# Altium PCB SoBQ.PcbDoc (part 1 of 4) (continued)
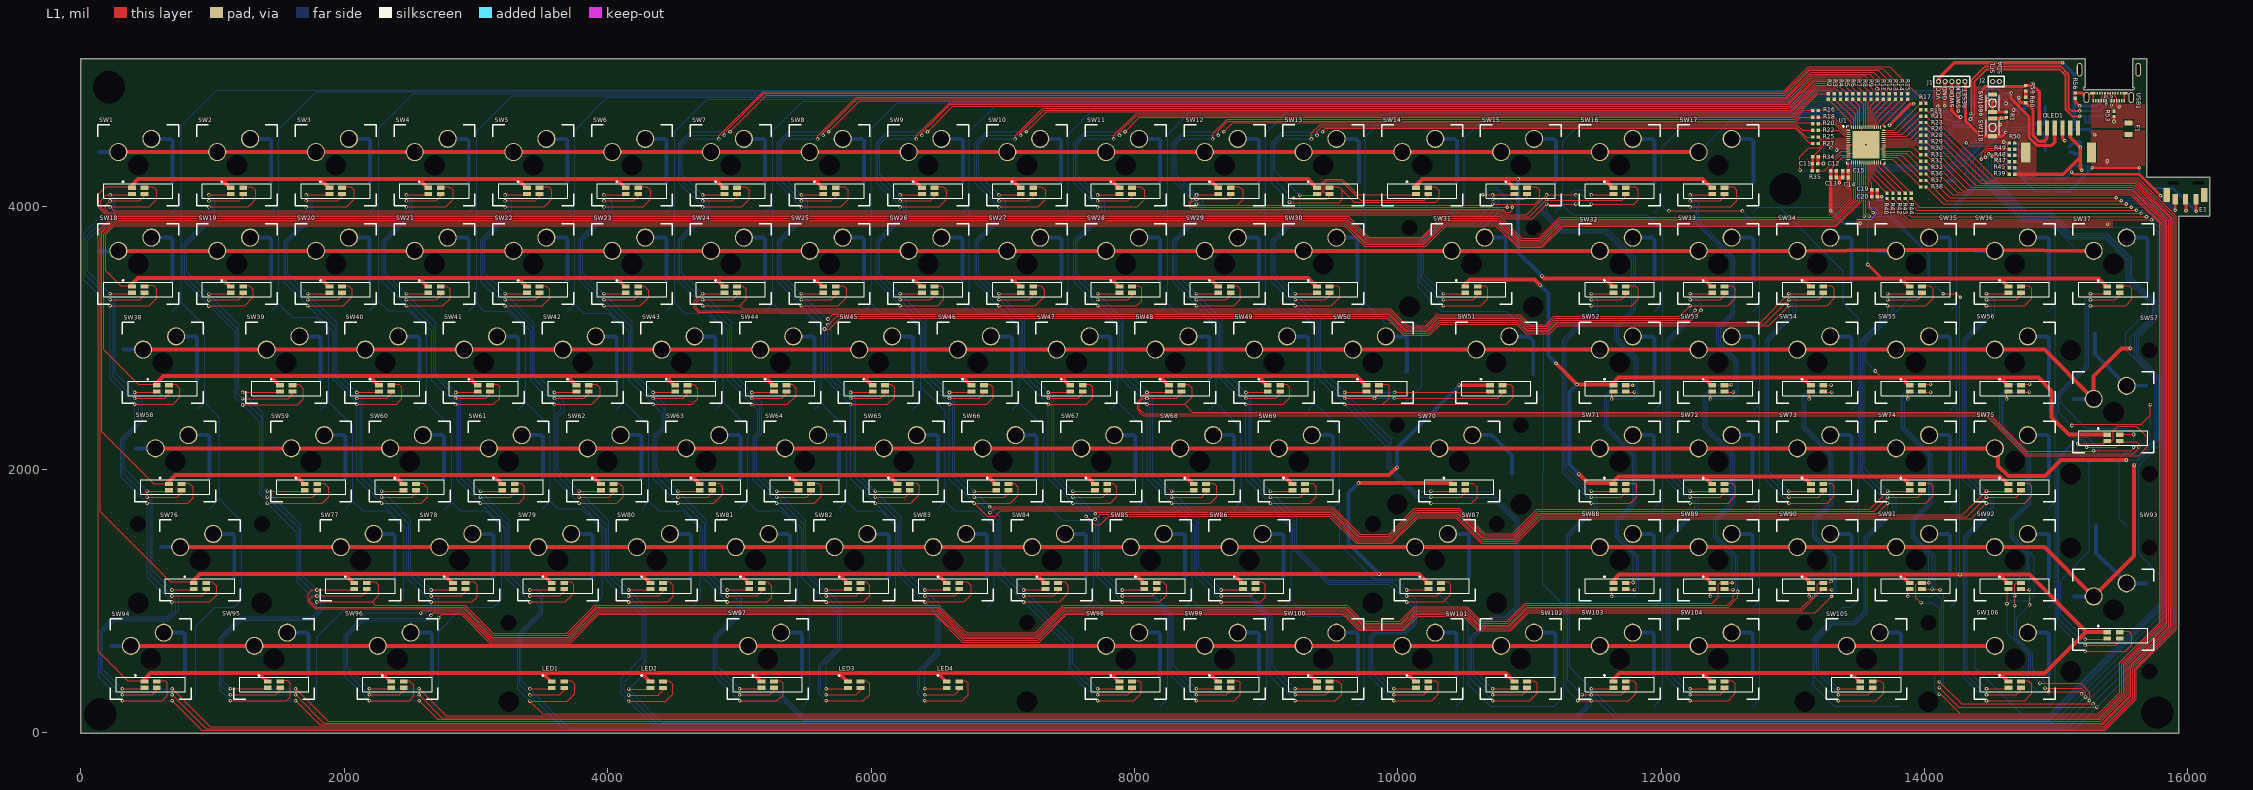
[diagram p0: L1 view]
## Components (designator, comment, footprint, x,y, rotation, side; value= is the part's Value field where it differs from the comment) (continued)
SW17 "Boot" SWITCH_U1_W_LED 12435,4312 r0 top
SW18 "~" SWITCH_U1_W_LED 435,3562 r0 top
SW19 "1" SWITCH_U1_W_LED 1185,3562 r0 top
SW20 "2" SWITCH_U1_W_LED 1935,3562 r0 top
SW21 "3" SWITCH_U1_W_LED 2685,3562 r0 top
SW22 "4" SWITCH_U1_W_LED 3435,3562 r0 top
SW23 "5" SWITCH_U1_W_LED 4185,3562 r0 top
SW24 "6" SWITCH_U1_W_LED 4935,3562 r0 top
SW25 "7" SWITCH_U1_W_LED 5685,3562 r0 top
SW26 "8" SWITCH_U1_W_LED 6435,3562 r0 top
SW27 "9" SWITCH_U1_W_LED 7185,3562 r0 top
SW28 "0" SWITCH_U1_W_LED 7935,3562 r0 top
SW29 "_-" SWITCH_U1_W_LED 8685,3562 r0 top
SW30 "+-" SWITCH_U1_W_LED 9435,3562 r0 top
SW31 "BACKSPACE" SWITCH_U2_W_LED 10560,3562 r0 top
SW32 "DELETE" SWITCH_U1_W_LED 11685,3562 r0 top
SW33 "HOME" SWITCH_U1_W_LED 12435,3562 r0 top
SW34 "NUMLOCK" SWITCH_U1_W_LED 13185,3562 r0 top
SW35 "/NUM" SWITCH_U1_W_LED 13935,3562 r0 top
SW36 "*NUM" SWITCH_U1_W_LED 14685,3562 r0 top
SW37 "-NUM" SWITCH_U1_W_LED 15435,3562 r0 top
SW38 "TAB" SWITCH_U1.50_W_LED 622.5,2812 r0 top
SW39 "Q" SWITCH_U1_W_LED 1560,2812 r0 top
SW40 "W" SWITCH_U1_W_LED 2310,2812 r0 top
SW41 "E" SWITCH_U1_W_LED 3060,2812 r0 top
SW42 "R" SWITCH_U1_W_LED 3810,2812 r0 top
SW43 "T" SWITCH_U1_W_LED 4560,2812 r0 top
SW44 "Y" SWITCH_U1_W_LED 5310,2812 r0 top
SW45 "U" SWITCH_U1_W_LED 6060,2812 r0 top
SW46 "I" SWITCH_U1_W_LED 6810,2812 r0 top
SW47 "O" SWITCH_U1_W_LED 7560,2812 r0 top
SW48 "P" SWITCH_U1_W_LED 8310,2812 r0 top
SW49 "[" SWITCH_U1_W_LED 9060,2812 r0 top
SW50 "]" SWITCH_U1_W_LED 9810,2812 r0 top
SW51 "\" SWITCH_U1.50_W_LED 10747.5,2812 r0 top
SW52 "INSERT" SWITCH_U1_W_LED 11685,2812 r0 top
SW53 "END" SWITCH_U1_W_LED 12435,2812 r0 top
SW54 "7NUM" SWITCH_U1_W_LED 13185,2812 r0 top
SW55 "8NUM" SWITCH_U1_W_LED 13935,2812 r0 top
SW56 "9NUM" SWITCH_U1_W_LED 14685,2812 r0 top
SW57 "+NUM" "SWITCH_U2_W_LED - VERT" 15435,2437 r270 top
SW58 "CAPSLOCK" SWITCH_U1.75_W_LED 716.25,2062 r0 top
SW59 "A" SWITCH_U1_W_LED 1747.5,2062 r0 top
SW60 "S" SWITCH_U1_W_LED 2497.5,2062 r0 top
SW61 "D" SWITCH_U1_W_LED 3247.5,2062 r0 top
SW62 "F" SWITCH_U1_W_LED 3997.5,2062 r0 top
SW63 "G" SWITCH_U1_W_LED 4747.5,2062 r0 top
SW64 "H" SWITCH_U1_W_LED 5497.5,2062 r0 top
SW65 "J" SWITCH_U1_W_LED 6247.5,2062 r0 top
SW66 "K" SWITCH_U1_W_LED 6997.5,2062 r0 top
SW67 "L" SWITCH_U1_W_LED 7747.5,2062 r0 top
SW68 ";" SWITCH_U1_W_LED 8497.5,2062 r0 top
SW69 "'" SWITCH_U1_W_LED 9247.5,2062 r0 top
SW70 "ENTER" SWITCH_U2.25_W_LED 10466.25,2062 r0 top
SW71 "ENTER2" SWITCH_U1_W_LED 11685,2062 r0 top
SW72 "PAGEUP" SWITCH_U1_W_LED 12435,2062 r0 top
SW73 "4NUM" SWITCH_U1_W_LED 13185,2062 r0 top
SW74 "5NUM" SWITCH_U1_W_LED 13935,2062 r0 top
SW75 "6NUM" SWITCH_U1_W_LED 14685,2062 r0 top
SW76 "LSHIFT" SWITCH_U2.25_W_LED 904.14,1312 r0 top
SW77 "Z" SWITCH_U1_W_LED 2123,1312 r0 top
SW78 "X" SWITCH_U1_W_LED 2873,1312 r0 top
SW79 "C" SWITCH_U1_W_LED 3623,1312 r0 top
SW80 "V" SWITCH_U1_W_LED 4373,1312 r0 top
SW81 "B" SWITCH_U1_W_LED 5123,1312 r0 top
SW82 "N" SWITCH_U1_W_LED 5873,1312 r0 top
SW83 "M" SWITCH_U1_W_LED 6623,1312 r0 top
SW84 "," SWITCH_U1_W_LED 7373,1312 r0 top
SW85 "." SWITCH_U1_W_LED 8123,1312 r0 top
SW86 "/" SWITCH_U1_W_LED 8873,1312 r0 top
SW87 "RSHIFT" SWITCH_U2.75_W_LED 10281.5,1312 r0 top
SW88 "UP" SWITCH_U1_W_LED 11685,1312 r0 top
SW89 "PAGEDOWN" SWITCH_U1_W_LED 12435,1312 r0 top
SW90 "1NUM" SWITCH_U1_W_LED 13185,1312 r0 top
SW91 "2NUM" SWITCH_U1_W_LED 13935,1312 r0 top
SW92 "3NUM" SWITCH_U1_W_LED 14685,1312 r0 top
SW93 "ENTERNUM" "SWITCH_U2_W_LED - VERT" 15435,937 r270 top
SW94 "LCTRL" SWITCH_U1.25_W_LED 529.13,562 r0 top
SW95 "LSUPER" SWITCH_U1.25_W_LED 1466.63,562 r0 top
SW96 "lALT" SWITCH_U1.25_W_LED 2404.13,562 r0 top
SW97 "SPACE" "SWITCH_U6.25_W_LED - DUPLICATE" 5216.25,562 r0 top
SW98 "RCTRL" SWITCH_U1_W_LED 7935,562 r0 top
SW99 "RSUPER" SWITCH_U1_W_LED 8685,562 r0 top
SW100 "RALT" SWITCH_U1_W_LED 9435,562 r0 top
SW101 "FN" SWITCH_U1_W_LED 10185,562 r0 top
SW102 "LEFT" SWITCH_U1_W_LED 10935,562 r0 top
SW103 "DOWN" SWITCH_U1_W_LED 11685,562 r0 top
SW104 "RIGHT" SWITCH_U1_W_LED 12435,562 r0 top
SW105 "0NUM" SWITCH_U2_W_LED 13560,562 r0 top
SW106 ".NUM" SWITCH_U1_W_LED 14685,562 r0 top
SW109 "B3U-1000P" B3U-1000P 14517.19,4783.19 r270 top
SW110 "B3U-1000P" B3U-1000P 14517.5,4599 r270 top
TVS1 "PRTR5V0U2X,215" SOT143B-RF 15440.02,4760.16 r180 bottom
U1 "IS31FL3741" "QFN-60 ISSI" 13555.78,4467 r0 top
U2 "STM32F401RE" LQFP64-STM32 14440.5,4531 r270 bottom
USB1 "USB C" "USB C" 15400.57,4825.92 r180 top
V1 "3.3Vreg" "SOT223 STM" 15294.18,4492 r0 bottom
XTAL1 "ATS08ASM-1E" ATS25ASM-1E 14916.5,4588 r270 bottom

## Footprints (in the part's own frame and the unit in brackets; to place one, negate y for a bottom-side part, rotate by r counter-clockwise, add the part's x,y. Pads: shape width x height; smd on the part's side, far side on the other; paste and mask are expansions set on the pad)
0ZCK0050AF2E [mm] "Polyfuse 500mA hold 1A trip 0805"
  rect 1x1.5 smd: 1(-1.1,0) 2(1.1,0)
  body extent -1.13,-0.76 1.17,0.74, height 1
"2 PIN HEADER" [mm]
  round 1 hole 0.6: 1(-0.635,0) 2(0.635,0)
  silkscreen extent -1.6,-1.05 1.52,1.05
0402_L [mm] "Chip Resistor, 2-Leads, Body 1.00x0.50mm, IPC Low Density"
  rect 0.65x0.65 smd: 1(-0.525,0) 2(0.525,0)
  body extent -0.5,-0.25 0.5,0.25, height 0.35
0402_L_C [mm] "0402 SMD for chip capacitor"
  rect 0.7x0.74 smd: 1(-0.53,0) 2(0.53,0)
  body extent -0.5,-0.25 0.5,0.25, height 0.35
5025850670 [mm] "CONN SGL R/A RCPT 6CKT CLIK-MATE"
  rect 0.8x2.9 smd: 1(-3.75,2.35) 2(-2.25,2.35) 3(-0.75,2.35) 4(0.75,2.35) 5(2.25,2.35) 6(3.75,2.35)
  rect 1.8x3.8 smd: ""(-6.35,-2.35) ""(6.35,-2.35)
  body extent -6.65,-5.42 6.65,3.08, height 6.41
ATS25ASM-1E [mm] "25MHz Crystal"
  rect 5.5x1.5 smd: 1(-4.25,0) 2(4.25,0)
  silkscreen extent -6.15,-2.41 6.15,2.42
B3U-1000P [mm] "Switch Tactile SPST-NO 0.05A 12V"
  rect 0.8x1.7 smd: 1(-1.7,0) 2(1.7,0)
  silkscreen extent -1.5,-1.25 1.5,1.25, body extent -1.5,-1.25 1.5,1.25, height 1.6
EC05E1220202 [mm] "encoder, 4.5mm"
  rect 1x2 smd: A(2,-3) B(-2,-3) C(0,-3)
  rect 1.25x2.7 smd: ""(-3.625,-2.15) ""(3.625,-2.15)
  round 0 on Mech1: ""(-2.44,0)
  round 0 hole 0.5 slot 2.12 at 0 deg unplated: ""(-2.44,0.1) ""(2.44,0.1)
  rect 0x0 on Mech1 rot 45: ""(2.44,0)
  body extent -3.77,-2.92 3.73,0.36, height 7.27
LQFP64-STM32 [mm]
  rect 0.3x1.2 smd: 1(-3.75,-5.75) 2(-3.25,-5.75) 3(-2.75,-5.75) 4(-2.25,-5.75) 5(-1.75,-5.75) 6(-1.25,-5.75) 7(-0.75,-5.75) 8(-0.25,-5.75) 9(0.25,-5.75) 10(0.75,-5.75) 11(1.25,-5.75) 12(1.75,-5.75) 13(2.25,-5.75) 14(2.75,-5.75) 15(3.25,-5.75) 16(3.75,-5.75) 33(3.75,5.75) 34(3.25,5.75) 35(2.75,5.75) 36(2.25,5.75) 37(1.75,5.75) 38(1.25,5.75) 39(0.75,5.75) 40(0.25,5.75) 41(-0.25,5.75) 42(-0.75,5.75) 43(-1.25,5.75) 44(-1.75,5.75) 45(-2.25,5.75) 46(-2.75,5.75) 47(-3.25,5.75) 48(-3.75,5.75)
  rect 1.2x0.3 smd: 17(5.75,-3.75) 18(5.75,-3.25) 19(5.75,-2.75) 20(5.75,-2.25) 21(5.75,-1.75) 22(5.75,-1.25) 23(5.75,-0.75) 24(5.75,-0.25) 25(5.75,0.25) 26(5.75,0.75) 27(5.75,1.25) 28(5.75,1.75) 29(5.75,2.25) 30(5.75,2.75) 31(5.75,3.25) 32(5.75,3.75) 49(-5.75,3.75) 50(-5.75,3.25) 51(-5.75,2.75) 52(-5.75,2.25) 53(-5.75,1.75) 54(-5.75,1.25) 55(-5.75,0.75) 56(-5.75,0.25) 57(-5.75,-0.25) 58(-5.75,-0.75) 59(-5.75,-1.25) 60(-5.75,-1.75) 61(-5.75,-2.25) 62(-5.75,-2.75) 63(-5.75,-3.25) 64(-5.75,-3.75)
  silkscreen extent -4.3,-4.3 -3.58,-3.58
"QFN-60 ISSI" [mm] "QFN, 60-Leads, Body 7.00x7.00mm, Pitch 0.40mm, Thermal Pad 5.25x5.25mm, IPC Medium Density"
  oval 0.74x0.2 smd: 1(-3.395,2.8) 2(-3.395,2.4) 3(-3.395,2) 4(-3.395,1.6) 5(-3.395,1.2) 6(-3.395,0.8) 7(-3.395,0.4) 8(-3.395,0) 9(-3.395,-0.4) 10(-3.395,-0.8) 11(-3.395,-1.2) 12(-3.395,-1.6) 13(-3.395,-2) 14(-3.395,-2.4) 15(-3.395,-2.8) 31(3.395,-2.8) 32(3.395,-2.4) 33(3.395,-2) 34(3.395,-1.6) 35(3.395,-1.2) 36(3.395,-0.8) 37(3.395,-0.4) 38(3.395,0) 39(3.395,0.4) 40(3.395,0.8) 41(3.395,1.2) 42(3.395,1.6) 43(3.395,2) 44(3.395,2.4) 45(3.395,2.8)
  oval 0.2x0.74 smd: 16(-2.8,-3.395) 17(-2.4,-3.395) 18(-2,-3.395) 19(-1.6,-3.395) 20(-1.2,-3.395) 21(-0.8,-3.395) 22(-0.4,-3.395) 23(0,-3.395) 24(0.4,-3.395) 25(0.8,-3.395) 26(1.2,-3.395) 27(1.6,-3.395) 28(2,-3.395) 29(2.4,-3.395) 30(2.8,-3.395) 46(2.8,3.395) 47(2.4,3.395) 48(2,3.395) 49(1.6,3.395) 50(1.2,3.395) 51(0.8,3.395) 52(0.4,3.395) 53(0,3.395) 54(-0.4,3.395) 55(-0.8,3.395) 56(-1.2,3.395) 57(-1.6,3.395) 58(-2,3.395) 59(-2.4,3.395) 60(-2.8,3.395)
  rect 5.25x5.25 smd: ""(0,0)
  silkscreen extent -4.47,-3.7 3.7,3.7, body extent -3.55,-3.55 3.55,3.55, height 0.8
"SMD LED" [mm] "LED"
  rect 1.5x0.8 smd: A(-1.2,0.6) B(1.2,0.6) G(1.2,-0.6) R(-1.2,-0.6)
  silkscreen extent -3.05,1.66 -2.79,1.92, body extent -1.93,-1.47 1.57,1.33, height 1.91
SOD-123 [mm]
  rect 0.9x1.2 smd: 1(-2.95,0) 2(2.95,0)
  silkscreen extent -1.78,-0.76 1.45,0.9, body extent -1.78,-0.76 1.45,0.9, height 1.36
SOT143B-RF [mm] "Reflow standard, nexperia"
  rect 1x0.7 smd: 1(-0.75,-1.05)
  rect 0.6x0.7 smd: 2(0.95,-1.05) 3(0.95,1.05) 4(-0.95,1.05)
  silkscreen extent -1.63,-1.68 1.63,1.65
"SOT223 STM" [mm] "SOT223, 4-Leads, Body 6.50x7.00mm (avg), Pitch 2.30mm, IPC High Density"
  rect 1.95x0.9 smd: 1(-2.825,2.3) 2(-2.825,0) 3(-2.825,-2.3)
  rect 1.95x3.2 smd: 4(2.825,0)
  silkscreen extent -2.95,-3.35 1.55,3.42, body extent -1.85,-3.35 1.85,3.35, height 1.8
"SWD 5 PIN" [mm]
  round 1 hole 0.6: 1(-2.54,0) 2(-1.27,0) 3(0,0) 4(1.27,0) 5(2.54,0)
  Multi-Layer region: 2.921,-0.762
  silkscreen extent -3.5,-1.05 3.5,1.05
SWITCH_U1.25_W_LED [mm] "single mx switch w surface mount led underneath"
  rect 2.55x2.5 smd far side: 1(-7.56,2.54) 2(6.29,5.08)
  round 3.5 hole 3: 1(-3.81,2.54) 2(2.54,5.08)
  rect 1.5x0.8 smd: A(-1.2,-4.36) B(1.2,-4.36) G(1.2,-5.56) R(-1.2,-5.56)
  round 0 hole 3.988: ""(0,0)
  silkscreen extent -7.8,-7.8 7.8,7.8, body extent -7.88,-7.8 7.8,7.8, height 14.38
SWITCH_U1.50_W_LED [mm] "single mx switch w surface mount led underneath"
  rect 2.55x2.5 smd far side: 1(-7.56,2.54) 2(6.29,5.08)
  round 3.5 hole 3: 1(-3.81,2.54) 2(2.54,5.08)
  rect 1.5x0.8 smd: A(-1.2,-4.36) B(1.2,-4.36) G(1.2,-5.56) R(-1.2,-5.56)
  round 0 hole 3.988: ""(0,0)
  silkscreen extent -7.8,-7.8 7.8,7.8, body extent -7.88,-7.67 7.81,7.93, height 14.38
SWITCH_U1.75_W_LED [mm] "single mx switch w surface mount led underneath"
  rect 2.55x2.5 smd far side: 1(-7.56,2.54) 2(6.29,5.08)
  round 3.5 hole 3: 1(-3.81,2.54) 2(2.54,5.08)
  rect 1.5x0.8 smd: A(-1.2,-4.36) B(1.2,-4.36) G(1.2,-5.56) R(-1.2,-5.56)
  round 0 hole 3.988: ""(0,0)
  silkscreen extent -7.8,-7.8 7.8,7.8, body extent -7.89,-7.8 7.8,7.8, height 14.38
SWITCH_U1_W_LED [mm] "single mx switch w surface mount led underneath"
  rect 2.55x2.5 smd far side: 1(-7.56,2.54) 2(6.29,5.08)
  round 3.5 hole 3: 1(-3.81,2.54) 2(2.54,5.08)
  rect 1.5x0.8 smd: A(-1.2,-4.36) B(1.2,-4.36) G(1.2,-5.56) R(-1.2,-5.56)
  round 0 hole 3.988: ""(0,0)
  silkscreen extent -7.8,-7.8 7.8,7.8, body extent -7.88,-7.8 7.8,7.8, height 14.38
SWITCH_U2.25_W_LED [mm] "U2 mx switch w surface mount led underneath"
  rect 2.55x2.5 smd far side: 1(-7.56,2.54) 2(6.29,5.08)
  round 3.5 hole 3: 1(-3.81,2.54) 2(2.54,5.08)
  rect 1.5x0.8 smd: A(-1.2,-4.36) B(1.2,-4.36) G(1.2,-5.56) R(-1.2,-5.56)
  round 0 hole 3.988: ""(-11.938,-8.255) ""(0,0) ""(11.938,-8.255)
  round 0 hole 3.048: ""(-11.938,6.985) ""(11.938,6.985)
  silkscreen extent -7.8,-7.8 7.8,7.8, body extent -15.34,-10.95 15.34,8.25, height 14.38
SWITCH_U2.75_W_LED [mm] "U2 mx switch w surface mount led underneath"
  rect 2.55x2.5 smd far side: 1(-7.56,2.54) 2(6.29,5.08)
  round 3.5 hole 3: 1(-3.81,2.54) 2(2.54,5.08)
  rect 1.5x0.8 smd: A(-1.2,-4.36) B(1.2,-4.36) G(1.2,-5.56) R(-1.2,-5.56)
  round 0 hole 3.988: ""(-11.938,-8.255) ""(0,0) ""(11.938,-8.255)
  round 0 hole 3.048: ""(-11.938,6.985) ""(11.938,6.985)
  silkscreen extent -7.8,-7.8 7.8,7.8, body extent -15.34,-10.96 15.34,8.24, height 14.38
SWITCH_U2_W_LED [mm] "U2 mx switch w surface mount led underneath"
  rect 2.55x2.5 smd far side: 1(-7.56,2.54) 2(6.29,5.08)
  round 3.5 hole 3: 1(-3.81,2.54) 2(2.54,5.08)
  rect 1.5x0.8 smd: A(-1.2,-4.36) B(1.2,-4.36) G(1.2,-5.56) R(-1.2,-5.56)
  round 0 hole 3.988: ""(-11.938,-8.255) ""(0,0) ""(11.938,-8.255)
  round 0 hole 3.048: ""(-11.938,6.985) ""(11.938,6.985)
  silkscreen extent -7.8,-7.8 7.8,7.8, body extent -15.34,-10.96 15.54,8.27, height 14.38
"SWITCH_U2_W_LED - VERT" [mm] "U2 mx switch w surface mount led underneath"
  round 3.5 hole 3: 1(-2.54,-3.81) 2(-5.08,2.54)
  rect 2.5x2.55 smd far side: 1(-2.54,-7.56) 2(-5.08,6.29)
  rect 0.8x1.5 smd: A(4.36,-1.2) B(4.36,1.2) G(5.56,1.2) R(5.56,-1.2)
  round 0 hole 3.048: ""(-11.938,6.985) ""(11.938,6.985)
  round 0 hole 3.988: ""(-11.938,-8.255) ""(0,0) ""(11.938,-8.255)
  silkscreen extent -7.8,-7.8 7.8,7.8, body extent -15.34,-10.96 15.34,8.24, height 14.38
"SWITCH_U6.25_W_LED - DUPLICATE" [mm] "U6.25 mx switch w surface mount led underneath"
  rect 2.55x2.5 smd far side: 1(-7.56,2.54) 2(6.29,5.08)
  round 3.5 hole 3: 1(-3.81,2.54) 2(2.54,5.08)
  rect 1.5x0.8 smd: A(-1.2,-4.36) B(1.2,-4.36) G(1.2,-5.56) R(-1.2,-5.56)
  round 0 hole 3.988: ""(-50,-8.255) ""(0,0) ""(50,-8.255)
  round 0 hole 3.048: ""(-50,6.985) ""(50,6.985)
  silkscreen extent -7.8,-7.8 7.8,7.8, body extent -53.4,-10.96 53.4,8.24, height 14.38
"USB C" [mm]
  rect 0.3x0.7 smd: A1(-3.002,0.633) A2(-2.502,0.633) A3(-2.002,0.633) A4(-1.502,0.633) A5(-1.002,0.633) A6(-0.502,0.633) A7(0.498,0.633) A8(0.998,0.633) A9(1.498,0.633) A10(1.998,0.633) A11(2.498,0.633) A12(2.998,0.633)
  rect 1x0.508 smd: B1(3.098,-0.795) B12(-3.102,-0.795)
  rect 0.3x0.508 smd: B2(2.248,-0.795) B3(1.748,-0.795) B4(1.248,-0.795) B5(0.748,-0.795) B6(0.248,-0.795) B7(-0.252,-0.795) B8(-0.752,-0.795) B9(-1.252,-0.795) B10(-1.752,-0.795) B11(-2.252,-0.795)
  oval 1.1x2.6 hole 0.6 slot 2.1 at 90 deg: ""(-5.65,-5.361) ""(5.65,-5.361)
  oval 1.1x2.1 hole 0.6 slot 1.6 at 90 deg: ""(-4.32,0) ""(4.32,0)
  body extent -5.8,-7.24 5.8,0.66, height 2.21

## Part data
C1 C21: "Capacitor", Supplier Part Number 1=81-GRJ155R60J106ME1D, LatestRevisionDate=17-Jul-2002, LatestRevisionNote="Re-released for DXP Platform.", PackageDescription="Radial Cap, Thru-Hole; 2 Leads; 0.3 in Pin Spacing", PackageReference=RAD-0.3, Published=8-Jun-2000, Publisher="Altium Limited", Supplier 1=Mouser
C2 C3 C4 C5 C6 C9 C10 C13 C15 C17 C20 C22 C23 C24: "Capacitor", Supplier Part Number 1=81-GRM155R71C104KA88, LatestRevisionDate=17-Jul-2002, LatestRevisionNote="Re-released for DXP Platform.", PackageDescription="Radial Cap, Thru-Hole; 2 Leads; 0.3 in Pin Spacing", PackageReference=RAD-0.3, Published=8-Jun-2000, Publisher="Altium Limited", Supplier 1=Mouser
C7 C8: "Capacitor", Supplier Part Number 1=603-CC402JRNPO9BN300, LatestRevisionDate=17-Jul-2002, LatestRevisionNote="Re-released for DXP Platform.", PackageDescription="Radial Cap, Thru-Hole; 2 Leads; 0.3 in Pin Spacing", PackageReference=RAD-0.3, Published=8-Jun-2000, Publisher="Altium Limited", Supplier 1=Mouser
C11 C12 C14 C16 C19: "Capacitor", Supplier Part Number 1=810-C1005X5R1E105M, LatestRevisionDate=17-Jul-2002, LatestRevisionNote="Re-released for DXP Platform.", PackageDescription="Radial Cap, Thru-Hole; 2 Leads; 0.3 in Pin Spacing", PackageReference=RAD-0.3, Published=8-Jun-2000, Publisher="Altium Limited", Supplier 1=Mouser
C18: "Capacitor", Supplier Part Number 1=81-ZRB15XR61A475KE1D, LatestRevisionDate=17-Jul-2002, LatestRevisionNote="Re-released for DXP Platform.", PackageDescription="Radial Cap, Thru-Hole; 2 Leads; 0.3 in Pin Spacing", PackageReference=RAD-0.3, Published=8-Jun-2000, Publisher="Altium Limited", Supplier 1=Mouser
D1 D2 D3 D4 D5 D6 D7 D8 D9 D10 D11 D12 D13 D14 D15 D16 D17 D18 D19 D20 D21 D22 D23 D24 D25 D26 D27 D28 D29 D30 D31 D32 D33 D34 D35 D36 D37 D38 D39 D40 D41 D42 D43 D44 D45 D46 D47 D48 D49 D50 D51 D52 D53 D54 D55 D56 D57 D58 D59 D60 D61 D62 D63 D64 D65 D66 D67 D68 D69 D70 D71 D72 D73 D74 D75 D76 D77 D78 D79 D80 D81 D82 D83 D84 D85 D86 D87 D88 D89 D90 D91 D92 D93 D94 D95 D96 D97 D98 D99 D100 D101 D102 D103 D104 D105 D106: Supplier Part Number 1=1655-1360-1-ND, Supplier 1=Digi-Key
E1: library part EC05E1220202, Supplier Part Number 1=688-EC05E1220202, Supplier 1=Mouser
F1: "Thermal Fuse", Supplier Part Number 1=530-0ZCK0050AF2E, LatestRevisionDate=17-Jul-2002, LatestRevisionNote="Re-released for DXP Platform.", PackageDescription="Thru-Hole; 2 Leads", PackageReference=PIN-W2/E2.8, Published=24-Mar-1999, Publisher="Altium Limited", Supplier 1=Mouser
LED1 LED2 LED3 LED4: Supplier Part Number 1=630-ASMB-MTB0-0A3A2, Supplier 1=Mouser
OLED1: Supplier Part Number 1=485-931, Supplier 1=Mouser
R1 R24 R34 R35 R39 R45 R46 R47 R48 R49 R50 R51 R52 R54 R55 R57 R58 R59 R60: "Resistor", Supplier Part Number 1=603-RC0402FR-0710KL, LatestRevisionDate=17-Jul-2002, LatestRevisionNote="Re-released for DXP Platform.", PackageDescription="Axial Device, Thru-Hole; 2 Leads; 0.3 in Pin Spacing", PackageReference=AXIAL-0.3, Published=8-Jun-2000, Publisher="Altium Limited", Supplier 1=Mouser
R2 R3 R5 R6 R8 R9 R11 R12 R14 R15 R18 R19 R20 R21 R25 R26 R27 R28 R30 R31 R33 R36 R38 R41 R42 R44: "Resistor", Supplier Part Number 1=603-RC0402FR-0720RL, LatestRevisionDate=17-Jul-2002, LatestRevisionNote="Re-released for DXP Platform.", PackageDescription="Axial Device, Thru-Hole; 2 Leads; 0.3 in Pin Spacing", PackageReference=AXIAL-0.3, Published=8-Jun-2000, Publisher="Altium Limited", Supplier 1=Mouser
R4 R7 R10 R13 R16 R17 R22 R23 R29 R32 R37 R40 R43: "Resistor", Supplier Part Number 1=603-RC0402FR-0751RL, LatestRevisionDate=17-Jul-2002, LatestRevisionNote="Re-released for DXP Platform.", PackageDescription="Axial Device, Thru-Hole; 2 Leads; 0.3 in Pin Spacing", PackageReference=AXIAL-0.3, Published=8-Jun-2000, Publisher="Altium Limited", Supplier 1=Mouser
R53 R56: "Resistor", Supplier Part Number 1=71-CRCW0402J-5.1K-E3, LatestRevisionDate=17-Jul-2002, LatestRevisionNote="Re-released for DXP Platform.", PackageDescription="Axial Device, Thru-Hole; 2 Leads; 0.3 in Pin Spacing", PackageReference=AXIAL-0.3, Published=8-Jun-2000, Publisher="Altium Limited", Supplier 1=Mouser
SW1 SW2 SW3 SW4 SW5 SW6 SW7 SW8 SW9 SW10 SW11 SW12 SW13 SW14 SW15 SW16 SW17 SW18 SW19 SW20 SW21 SW22 SW23 SW24 SW25 SW26 SW27 SW28 SW29 SW30 SW31 SW32 SW33 SW34 SW35 SW36 SW37 SW38 SW39 SW40 SW41 SW42 SW43 SW44 SW45 SW46 SW47 SW48 SW49 SW50 SW51 SW52 SW53 SW54 SW55 SW56 SW57 SW58 SW59 SW60 SW61 SW62 SW63 SW64 SW65 SW66 SW67 SW68 SW69 SW70 SW71 SW72 SW73 SW74 SW75 SW76 SW77 SW78 SW79 SW80 SW81 SW82 SW83 SW84 SW85 SW86 SW87 SW88 SW89 SW90 SW91 SW92 SW93 SW94 SW95 SW96 SW97 SW98 SW99 SW100 SW101 SW102 SW103 SW104 SW105 SW106: library part MX_SWITCH_SINGLE_W_SMD_LED, Supplier Part Number 1=630-ASMB-MTB0-0A3A2, Supplier 1=Mouser
SW109 SW110: Supplier Part Number 1=653-B3U-1000P, Supplier 1=Mouser
TVS1: Supplier Part Number 1=771-PRTR5V0U2X-T/R, Supplier 1=Mouser
U1: Supplier Part Number 1=870-IS31FL3741QFLS4T, Supplier 1=Mouser
U2: Supplier Part Number 1=511-STM32F401RET6, Supplier 1=Mouser
USB1: Supplier Part Number 1=538-105455-0101, Supplier 1=Mouser
V1: library part LD1117S33CTR, Supplier Part Number 1=497-1241-6-ND, Supplier 1=Digi-Key
XTAL1: "8MHz 60ESR 20pF", Supplier Part Number 1=774-ATS08ASM-1E, Supplier 1=Mouser

## Free pads (board coordinates)
  round 0 hole 246.06 unplated: 2(12945,4131) 3(15769,156) 4(146,143) 5(213,4903)

## Via types
v1: diameter 27, hole 15, L1 to L2, 406 vias
v2: diameter 27, hole 13, L1 to L2, tented both sides, 41 vias
v3: diameter 27, hole 13, L1 to L2, 36 vias
v4: diameter 20, hole 10, L1 to L2, 4 vias
v5: diameter 30, hole 15, L1 to L2, 2 vias

## Nets (pads, with @x,y where several pads share a name; then routed paths per layer and width w, separated by ;. In a path a pad name is that pad's centre, name@x,y a point inside that pad or via, vN(x,y) a via of type N, cw(c..) or ccw(c..) an arc to the next point about the centre after c; other vN are vias at no path point)
3V3: C1.2 C2.2 C3.2 C4.2 C5.2 C6.2 C9.2 C16.2 C17.2 C21.2 OLED1.5 R24.2 R39.1 R45.1 R46.2 R47.1 R48.1 R49.1 R50.1 R51.2 R54.2 R55.2 R59.2 R60.2 SW109.1 U2.1 U2.13 U2.19 U2.32 U2.48 U2.64 V1.2 | length 2940.6
  L1 w25: R39.1@14685.96,4244 14686.96,4243 15053.75,4243 15183,4372.25 ; R60.2@14770.16,4827.67 14770.16,4875.53 R59.2@14770.5,4875.86 ; OLED1.5@15107.58,4593.41 15107.58,4522.42 v3(15183,4447) 15183,4372.25 ; v3(15195,4274.63) 15183,4286.63 15183,4372.25
  L2 w8: C1.2@14149.5,4716.98 14175.78,4716.98 U2.48@14214.12,4678.64 ; U2.48@14213.74,4678.06 U2.48@14214.22,4678.54 ; C2.2@14234.34,4189.13 14233.58,4189.13 14230.28,4192.43 14206.03,4216.68 14206.03,4251.74 14258.92,4304.62 U2.32@14292.86,4304.62 14292.86,4338.56 14567.29,4613 14579.62,4613 14581.5,4614.88 14577.37,4619 v3(14574.5,4619) ; C4.2@14549.63,4246 14549.63,4303.76 U2.19@14548.76,4304.62 14548.76,4329.27 14578.5,4359 14578.5,4464 v3(14602.5,4488) 14602.5,4482.81 14642.89,4442.42 U2.13@14666.87,4442.42 14710.24,4442.42 C17.2@14726.66,4426 ; U2.64@14588.13,4757.38 14596.5,4757.38 v2(14619.5,4780.37) ; U2.1@14666.87,4678.64 14693.13,4678.64 14714.5,4700 14714.5,4728.73 C9.2@14717.76,4732
  L2 w20: R24.2@14172.73,4192.43 14230.28,4192.43 14231.04,4192.43 C2.2@14234.34,4189.13
  L2 w25: v2(14100.5,4760) 14100.5,4718.87 C5.2@14098.5,4716.87 14149.38,4716.87 C1.2@14149.5,4716.98 ; R51.2@14436.72,4895.34 14482.04,4895.34 ; v3(14479.5,4811) 14479.5,4892.8 14482.04,4895.34 ; R46.2@14523.34,4895.34 14482.04,4895.34 ; C3.2@14619.36,4812 14619.36,4780.5 v2(14619.5,4780.37) ; v3(14676.5,4731) 14677.5,4732 C9.2@14717.76,4732 C6.2@14717.76,4787 ; C16.2@14726.66,4377.98 C17.2@14726.66,4426 ; C21.2@15101.18,4452.87 15140.31,4492 V1.2@15182.96,4492 V1.2@15182.96,4492 v3(15183,4447) ; R55.2@15153.79,4307 R54.2@15198.33,4307 15198.33,4277.96 v3(15195,4274.63)
5V: C12.2 C13.2 C14.2 C15.2 C19.2 C20.2 C22.2 F1.2 J1.1 U1.14 U1.15 U1.25 V1.3 | length 3039.5
  L1 w8: C12.2@13289.43,4269.85 13289.43,4281.5 13380.45,4372.51 U1.14@13422.11,4372.51 ; C15.2@13420.29,4269.9 13420.29,4354.94 U1.15@13422.11,4356.76 ; U1.25@13587.27,4333.34 13587.27,4186.36 13600.63,4173 C19.2@13600.63,4126
  L1 w25: v2(13289.43,3966) C13.2@13289.43,4219.59 C12.2@13289.43,4269.85 ; 13420.29,4142.79 C14.2@13420.29,4219.64 C15.2@13420.29,4269.9 ; C20.2@13600.63,4072.63 C19.2@13600.63,4126 ; J1.1@14107.5,4948 14107.5,4973 14225.5,5091 v2(15050.5,5091) ; 15383,4327 15387.51,4331.51 v3(15387.51,4344) ; v3(15391,3865) v3@15391.46,3865
  L2 w25: v2(13289.43,3966) 13385.43,3870 13386.43,3871 v3(13513,3871) ; v2(15050.5,5091) 15137.97,5003.52 15137.97,4627.54 V1.3@15182.8,4582.71 ; C22.2@15101.18,4582.71 V1.3@15182.8,4582.71 ; v3(15294,4543.14) 15294.18,4543.32 15254.94,4582.55 V1.3@15182.96,4582.55 V1.3@15182.8,4582.71
D_N: TVS1.3 U2.44 USB1.A7 USB1.B7 | length 2036.2
  L1 w6: USB1.A7@15380.96,4801 15381.17,4800.79 v4(15381.17,4776) ; USB1.B7@15410.49,4861 USB1.B7@15410.49,4857.22 15410.49,4841.69 v4(15421.17,4831)
  L1 w15: v1(14350.5,4703) 14355.5,4708 14355.5,4956.05 14459.44,5060 15038,5060 15094,5004 15094,4745.82 15115.82,4724 v2(15179.17,4724)
  L2 w10: U2.44@14214.12,4599.9 14344.39,4599.9 14379.5,4635 14379.5,4690 14366.5,4703 v1(14350.5,4703)
  L2 w15: v2(15179.17,4724) 15329.17,4724 v4(15381.17,4776) 15421.17,4816 v4(15421.17,4831)
D_P: TVS1.2 U2.45 USB1.A6 USB1.B6 | length 2088.5
  L1 w6: USB1.B6@15390.8,4857.22 15393.17,4854.85 15393.17,4828.16 USB1.A6@15420.33,4801 v4(15420.33,4768) ; USB1.B6@15390.8,4861 USB1.B6@15392.69,4859.11
  L1 w15: v5(14348.5,4664) 14349.68,4664 14378.5,4692.82 14378.5,4946.53 14468.97,5037 15028.47,5037 15071,4994.47 15071,4736.29 15126.64,4680.65 15180.5,4680.65 v2@15180.5,4684.64
  L2 w10: U2.45@14213.74,4619 14313,4619 v5@14353.25,4659.25
  L2 w15: v2(15179.17,4684.64) 15194.17,4684.64 15224.17,4684.64 15224.17,4636.58 15254.17,4636.58 15254.17,4684.64 15279,4684.64 15368.43,4684.64 TVS1.2@15402.61,4718.82 15420.33,4736.54 v4(15420.33,4768)